# Altium PCB S6.PcbDoc (part 3 of 14) (continued)
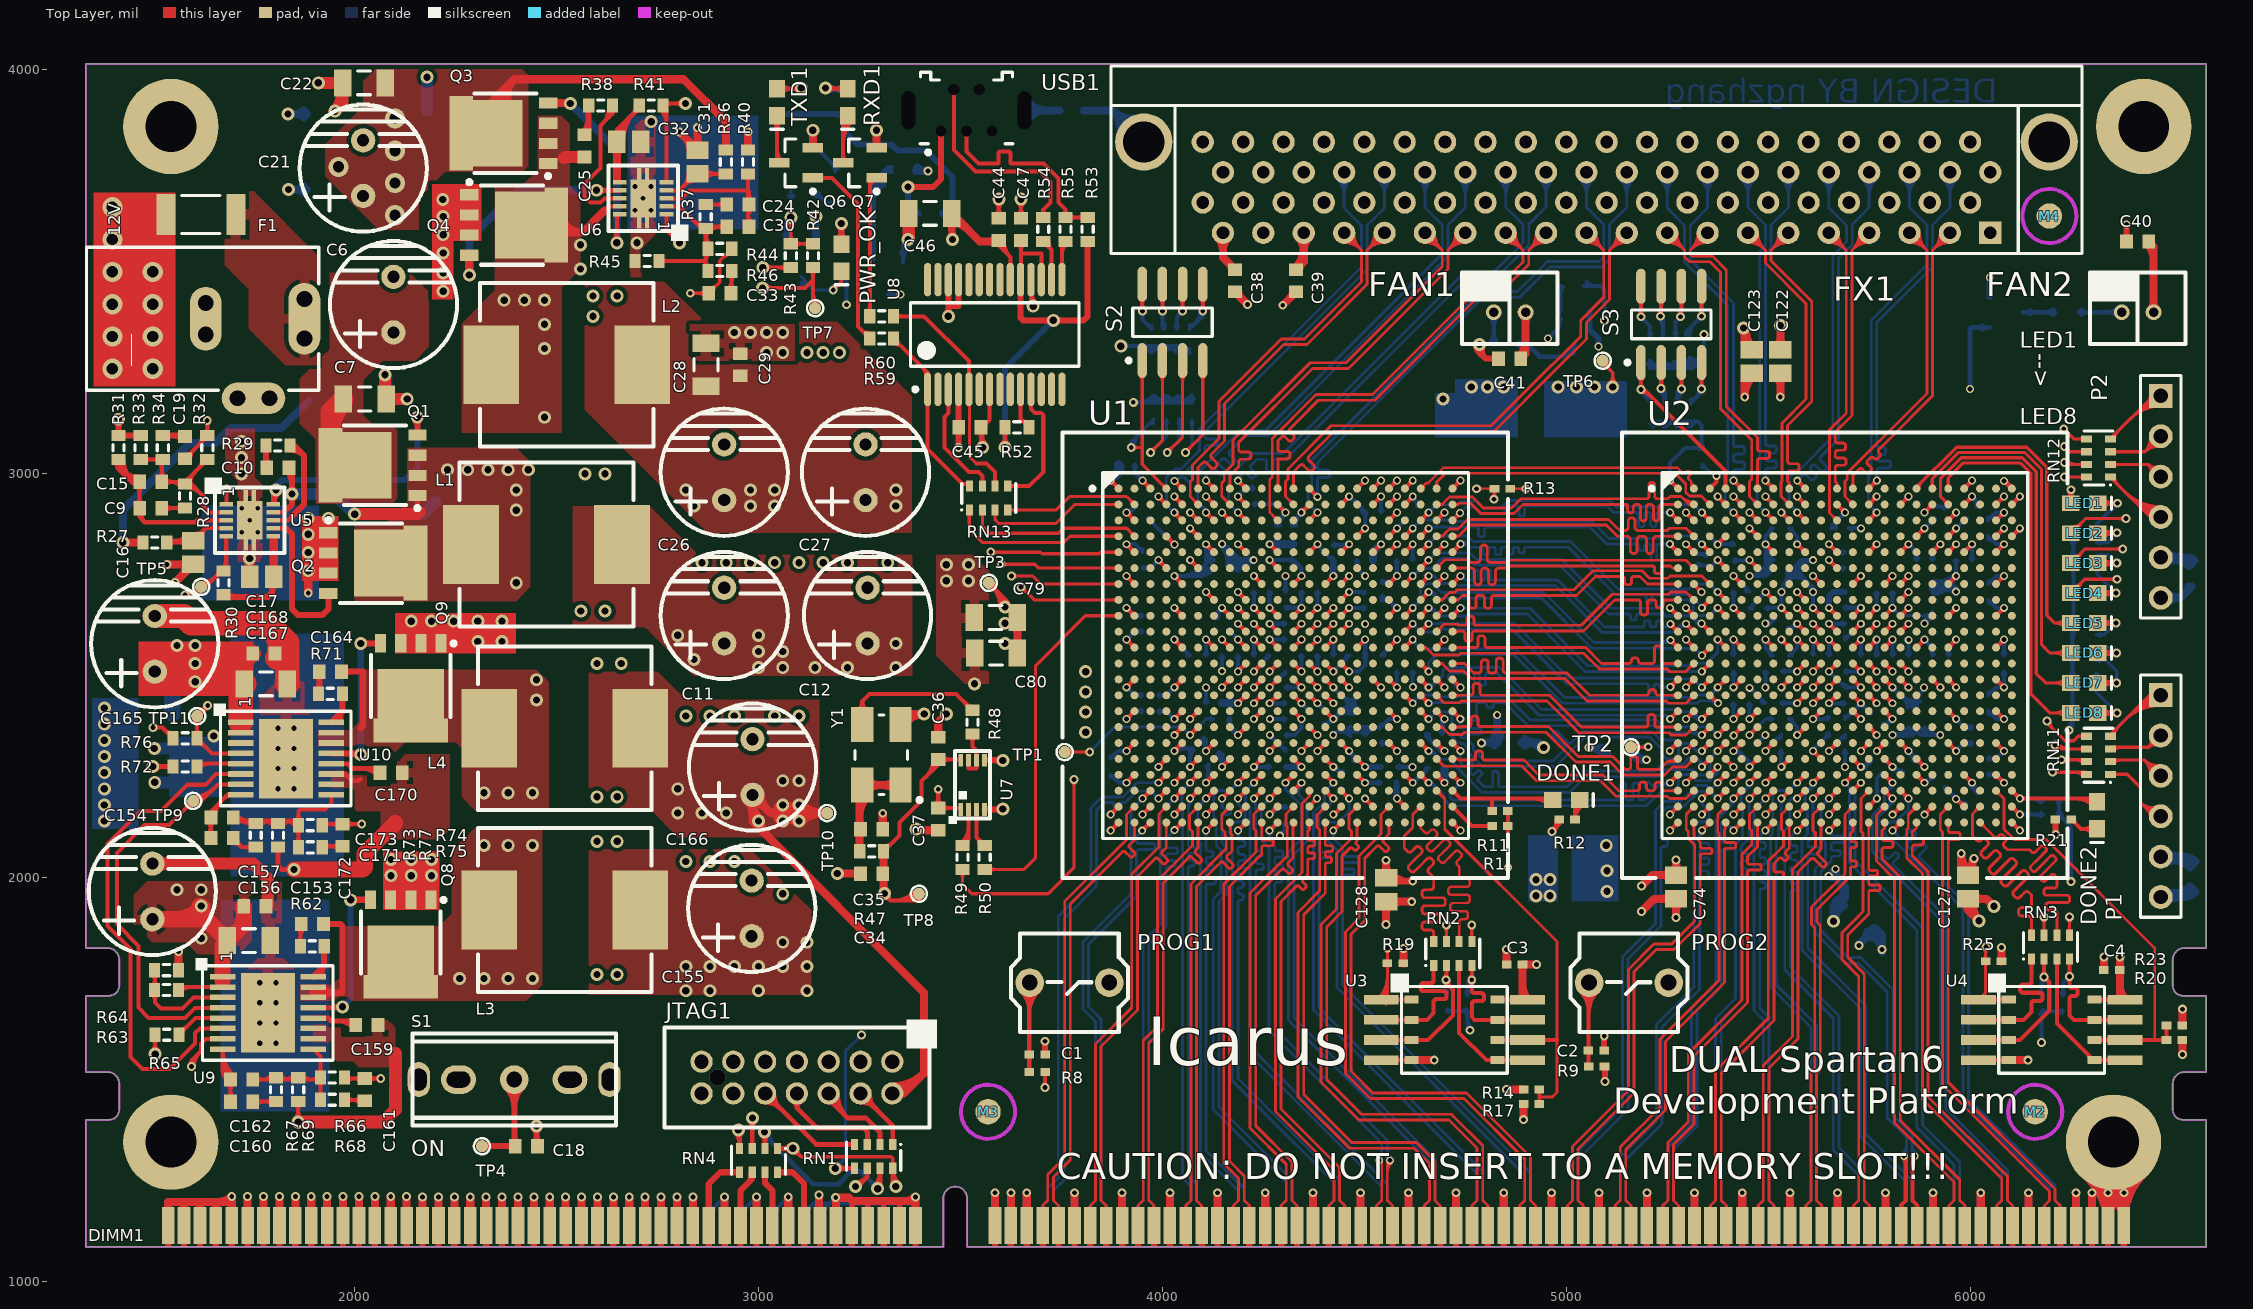
[diagram p0: Top Layer view]
## Nets (pads, with @x,y where several pads share a name; then routed paths per layer and width w, separated by ;. In a path a pad name is that pad's centre, name@x,y a point inside that pad or via, vN(x,y) a via of type N, cw(c..) or ccw(c..) an arc to the next point about the centre after c; other vN are vias at no path point) (continued)
DIMM_FPGA1_17_P: DIMM1.196 U1.W12 | length 1386.5
  Top Layer w10: v1(4305,2235.04) U1.W12@4324.69,2254.72 ; v1@4305,2239.88 ccw(c4305,2251.57) 4313.27,2243.31 ccw(c4321.53,2235.04) v1@4309.84,2235.04 ; U1.W12@4319.84,2254.72 cw(c4308.15,2254.72) 4316.42,2246.46 cw(c4324.69,2238.19) U1.W12@4324.69,2249.88
  Bottom Layer w7: v1@4300.52,2230.55 cw(c4289.69,2219.73) 4305,2219.73 cw(c4320.31,2219.73) v1@4309.48,2230.55 ; v1(4305,2235.04) 4305,2218 4344.1,2178.9 4344.1,2095.9 4312,2063.8 4312,1647 4661.06,1297.94 4661.06,1200.68 4648.37,1188 ; DIMM1.196@4642.87,1179.07 ccw(c4638.37,1188) 4648.37,1188 ; DIMM1.196@4648.37,1138.6 4648.37,1188 ; DIMM1.196@4653.87,1179.07 cw(c4658.37,1188) 4648.37,1188
DIMM_FPGA1_18_N: DIMM1.203 U1.AB15 | length 1414.9
  Top Layer w10: v1(4423,2116.82) U1.AB15@4442.8,2136.61 ; v1@4423,2121.66 ccw(c4423,2133.35) 4431.27,2125.09 ccw(c4439.53,2116.82) v1@4427.84,2116.82 ; U1.AB15@4437.95,2136.61 cw(c4426.26,2136.61) 4434.53,2128.35 cw(c4442.8,2120.08) U1.AB15@4442.8,2131.77
  Bottom Layer w7: v1@4418.52,2112.33 cw(c4407.69,2101.51) 4423,2101.51 cw(c4438.31,2101.51) v1@4427.48,2112.33 ; v1(4423,2116.82) 4423,2097.8 4446,2074.8 4446,2067.3 4446,2057.55 ccw(c4451.25,2057.55) 4451.25,2052.3 4479.75,2052.3 cw(c4479.75,2047.05) 4485,2047.05 4485,2042.55 cw(c4479.75,2042.55) 4479.75,2037.3 4451.25,2037.3 ccw(c4451.25,2032.05) 4446,2032.05 4446,2029 4446,2026.75 ccw(c4451.25,2026.75) 4451.25,2021.5 4469.9,2021.5 cw(c4469.9,2016.25) 4475.15,2016.25 4475.15,2011.75 cw(c4469.9,2011.75) 4469.9,2006.5 4451.25,2006.5 ccw(c4451.25,2001.25) 4446,2001.25 4446,1992 4446,1734.07 4911.27,1268.8 4911.27,1200.68 4923.96,1188 ; DIMM1.203@4918.46,1179.07 ccw(c4913.96,1188) 4923.96,1188 ; DIMM1.203@4923.96,1138.6 4923.96,1188 ; DIMM1.203@4929.46,1179.07 cw(c4933.96,1188) 4923.96,1188
DIMM_FPGA1_18_P: DIMM1.202 U1.Y15 | length 1415.3
  Top Layer w10: U1.Y15@4442.8,2210.51 cw(c4442.8,2198.82) 4451.06,2207.09 cw(c4459.33,2215.35) U1.Y15@4447.64,2215.35 ; U1.Y15@4442.8,2215.35 v1(4462.48,2195.67) ; v1@4457.64,2195.67 ccw(c4445.95,2195.67) 4454.21,2203.94 ccw(c4462.48,2212.2) v1@4462.48,2200.51
  Bottom Layer w7: v1@4458,2191.18 cw(c4447.17,2180.36) 4462.48,2180.36 cw(c4477.79,2180.36) v1@4466.97,2191.18 ; v1(4462.48,2195.67) 4462.48,2163.48 4436.16,2137.16 4414.57,2137.16 4402.66,2125.24 4402.66,2098.34 4422,2079 4432,2069 4432,1728.28 4897.27,1263 4897.27,1200.68 4884.59,1188 ; DIMM1.202@4879.09,1179.07 ccw(c4874.59,1188) 4884.59,1188 ; DIMM1.202@4884.59,1138.6 4884.59,1188 ; DIMM1.202@4890.09,1179.07 cw(c4894.59,1188) 4884.59,1188
DIMM_FPGA1_19_N: DIMM1.200 U1.Y14 | length 1472.5
  Top Layer w7: U1.Y14@4403.43,2209.01 cw(c4403.43,2193.7) 4414.25,2204.53 cw(c4425.08,2215.35) U1.Y14@4409.77,2215.35 ; U1.Y14@4403.43,2215.35 v1(4423.11,2195.67) ; U1.Y14@4405.77,2209.43 cw(c4394.04,2189.1) v1@4416.92,2194.27 ; U1.Y14@4409.35,2213.01 ccw(c4429.68,2224.74) v1@4424.51,2201.86 ; 4412.63,2205.46 cw(c4408.31,2197.99) v1@4416.85,2196.65 ; 4413.32,2206.15 ccw(c4420.79,2210.47) v1@4422.13,2201.93 ; v1@4416.77,2195.67 ccw(c4401.46,2195.67) 4412.28,2206.5 ccw(c4423.11,2217.32) v1@4423.11,2202.01
  Bottom Layer w7: 4415.34,2180.47 cw(c4424.24,2180.47) v1@4423.58,2189.34 ; 4415.34,2188.01 cw(c4423.68,2188.01) v1@4423.06,2196.32 ; v1(4423.11,2195.67) 4415.34,2187.9 4415.34,2182.6 4388,2155.26 4388,2071 4388,2068.75 ccw(c4393.25,2068.75) 4393.25,2063.5 4409.49,2063.5 cw(c4409.49,2058.25) 4414.74,2058.25 4414.74,2053.75 cw(c4409.49,2053.75) 4409.49,2048.5 4393.25,2048.5 ccw(c4393.25,2043.25) 4388,2043.25 4388,2026 4388,1677.8 4793.16,1272.63 4793.16,1200.68 4805.85,1188 ; DIMM1.200@4800.35,1179.07 ccw(c4795.85,1188) 4805.85,1188 ; DIMM1.200@4805.85,1138.6 4805.85,1188 ; DIMM1.200@4811.35,1179.07 cw(c4815.85,1188) 4805.85,1188
DIMM_FPGA1_19_P: DIMM1.199 U1.W14 | length 1400.6
  Top Layer w10: U1.W14@4403.43,2249.88 cw(c4403.43,2238.19) 4411.69,2246.46 cw(c4419.96,2254.72) U1.W14@4408.27,2254.72 ; U1.W14@4403.43,2254.72 v1(4423.11,2235.04) ; v1@4418.27,2235.04 ccw(c4406.58,2235.04) 4414.84,2243.31 ccw(c4423.11,2251.57) v1@4423.11,2239.88
  Bottom Layer w7: v1@4416.77,2235.04 cw(c4401.46,2235.04) 4412.28,2224.21 cw(c4423.11,2213.38) v1@4423.11,2228.7 ; v1(4423.11,2235.04) 4401.34,2213.27 4401.34,2188.4 4374,2161.06 4374,1672 4779.16,1266.84 4779.16,1200.68 4766.48,1188 ; DIMM1.199@4760.98,1179.07 ccw(c4756.48,1188) 4766.48,1188 ; DIMM1.199@4766.48,1138.6 4766.48,1188 ; DIMM1.199@4771.98,1179.07 cw(c4776.48,1188) 4766.48,1188
DIMM_FPGA1_20_N: DIMM1.80 U1.AB16 | length 1405
  Top Layer w7: 4453.95,2062.95 4445,2054 ; U1.AB16@4477.68,2132.13 cw(c4466.85,2121.3) 4482.17,2121.3 cw(c4497.48,2121.3) U1.AB16@4486.65,2132.13 ; U1.AB16@4482.17,2136.61 4482.17,2091.17 4480.68,2089.68 ccw(c4484.15,2086.22) 4480.68,2082.75 4484.24,2079.19 cw(c4480.77,2075.73) 4484.24,2072.26 4481.27,2069.29 cw(c4477.8,2072.76) 4474.34,2069.29 4470.78,2072.85 ccw(c4467.32,2069.39) 4463.85,2072.85 4446.5,2055.5 4445,2054 ; DIMM1.80@4800.35,1179.07 ccw(c4795.85,1188) 4805.85,1188 ; DIMM1.80@4805.85,1138.6 4805.85,1188 ; DIMM1.80@4811.35,1179.07 cw(c4815.85,1188) 4805.85,1188 ; 4445,2054 4445,1916.2 4407,1878.2 4407,1499.8 4492.8,1414 4715.8,1414 4719.9,1409.9 4793.16,1336.63 4793.16,1200.68 4805.85,1188
DIMM_FPGA1_20_P: DIMM1.79 U1.AA16 | length 1421.4
  Top Layer w7: U1.AA16@4475.82,2175.98 cw(c4460.51,2175.98) 4471.34,2165.16 cw(c4482.17,2154.33) U1.AA16@4482.17,2169.64 ; U1.AA16@4482.17,2175.98 4462,2155.82 4462,2121.17 4468.17,2115 4468.17,2096.96 4431,2059.8 4431,1922 4393,1884 4393,1494 4487,1400 4710,1400 4779.16,1330.84 4779.16,1200.68 4766.48,1188 ; DIMM1.79@4760.98,1179.07 ccw(c4756.48,1188) 4766.48,1188 ; DIMM1.79@4766.48,1138.6 4766.48,1188 ; DIMM1.79@4771.98,1179.07 cw(c4776.48,1188) 4766.48,1188
DIMM_FPGA1_21_N: DIMM1.77 U1.AB14 | length 1350.1
  Top Layer w7: U1.AB14@4398.94,2132.13 cw(c4388.11,2121.3) 4403.43,2121.3 cw(c4418.74,2121.3) U1.AB14@4407.91,2132.13 ; U1.AB14@4403.43,2136.61 4403.43,2114 4403.43,2107 4403.43,2093 4403.43,2083.9 ccw(c4408.33,2083.9) 4408.33,2079 4416.97,2079 cw(c4416.97,2074.1) 4421.86,2074.1 4421.86,2069.9 cw(c4416.97,2069.9) 4416.97,2065 4408.33,2065 ccw(c4408.33,2060.1) 4403.43,2060.1 4403.43,2055.9 ccw(c4408.33,2055.9) 4408.33,2051 4413.61,2051 cw(c4413.61,2046.1) 4418.51,2046.1 4418.51,2041.9 cw(c4413.61,2041.9) 4413.61,2037 4408.33,2037 ccw(c4408.33,2032.1) 4403.43,2032.1 4403.43,1989 4403.43,1961.63 4350,1908.2 4350,1462.8 4468.8,1344 4628.8,1344 4632.9,1339.9 4675.06,1297.74 4675.06,1200.68 4687.74,1188 ; DIMM1.77@4682.24,1179.07 ccw(c4677.74,1188) 4687.74,1188 ; DIMM1.77@4687.74,1138.6 4687.74,1188 ; DIMM1.77@4693.24,1179.07 cw(c4697.74,1188) 4687.74,1188
DIMM_FPGA1_21_P: DIMM1.76 U1.AA14 | length 1350.4
  Top Layer w7: U1.AA14@4397.08,2175.98 cw(c4381.77,2175.98) 4392.6,2165.16 cw(c4403.43,2154.33) U1.AA14@4403.43,2169.64 ; U1.AA14@4403.43,2175.98 4383,2155.56 4383,2125 4389.43,2118.57 4389.43,1967.43 4336,1914 4336,1457 4463,1330 4623,1330 4661.06,1291.94 4661.06,1200.68 4648.37,1188 ; DIMM1.76@4642.87,1179.07 ccw(c4638.37,1188) 4648.37,1188 ; DIMM1.76@4648.37,1138.6 4648.37,1188 ; DIMM1.76@4653.87,1179.07 cw(c4658.37,1188) 4648.37,1188
DIMM_FPGA1_22_N: DIMM1.83 U1.AB18 | length 1453.1
  Top Layer w7: U1.AB18@4556.42,2132.13 cw(c4545.59,2121.3) 4560.91,2121.3 cw(c4576.22,2121.3) U1.AB18@4565.39,2132.13 ; U1.AB18@4560.91,2136.61 4560.91,2107.91 4549,2096 4547.52,2094.52 ccw(c4550.98,2091.05) 4547.52,2087.59 4559.48,2075.62 cw(c4556.01,2072.16) 4559.48,2068.69 4556.51,2065.72 cw(c4553.04,2069.19) 4549.58,2065.72 4537.62,2077.69 ccw(c4534.15,2074.22) 4530.69,2077.69 4529,2076 4501,2048 4501,1894 4467,1860 4467,1521 4521,1467 4752.8,1467 4911.27,1308.52 4911.27,1200.68 4923.96,1188 ; DIMM1.83@4918.46,1179.07 ccw(c4913.96,1188) 4923.96,1188 ; DIMM1.83@4923.96,1138.6 4923.96,1188 ; DIMM1.83@4929.46,1179.07 cw(c4933.96,1188) 4923.96,1188
DIMM_FPGA1_22_P: DIMM1.82 U1.AA18 | length 1453.3
  Top Layer w7: U1.AA18@4554.56,2175.98 cw(c4539.25,2175.98) 4550.08,2165.16 cw(c4560.91,2154.33) U1.AA18@4560.91,2169.64 ; U1.AA18@4560.91,2175.98 4541,2156.08 4541,2107.8 4487,2053.8 4487,1899.8 4453,1865.8 4453,1515.2 4515.2,1453 4747,1453 4897.27,1302.72 4897.27,1200.68 4884.59,1188 ; DIMM1.82@4879.09,1179.07 ccw(c4874.59,1188) 4884.59,1188 ; DIMM1.82@4884.59,1138.6 4884.59,1188 ; DIMM1.82@4890.09,1179.07 cw(c4894.59,1188) 4884.59,1188
DIMM_FPGA2_1_N: DIMM1.86 U2.AB2 | length 1256.1
  Top Layer w7: DIMM1.86@5036.57,1179.07 ccw(c5032.07,1188) 5042.07,1188 ; DIMM1.86@5042.07,1138.6 5042.07,1188 ; DIMM1.86@5047.57,1179.07 cw(c5052.07,1188) 5042.07,1188 ; U2.AB2@5311.5,2132.13 cw(c5300.67,2121.3) 5315.98,2121.3 cw(c5331.3,2121.3) U2.AB2@5320.47,2132.13 ; U2.AB2@5315.98,2136.61 5315.98,2102.81 5332,2086.8 5332,2080 5332,2077.9 ccw(c5336.9,2077.9) 5336.9,2073 5355.79,2073 cw(c5355.79,2068.1) 5360.69,2068.1 5360.69,2063.9 cw(c5355.79,2063.9) 5355.79,2059 5336.9,2059 ccw(c5336.9,2054.1) 5332,2054.1 5332,2043 5332,1887 5267,1822 5223,1822 5168,1767 5168,1467 5029.39,1328.38 5029.39,1200.68 5042.07,1188
DIMM_FPGA2_1_P: DIMM1.85 U2.AA2 | length 1256.5
  Top Layer w7: DIMM1.85@4997.2,1179.07 ccw(c4992.7,1188) 5002.7,1188 ; DIMM1.85@5002.7,1138.6 5002.7,1188 ; DIMM1.85@5008.2,1179.07 cw(c5012.7,1188) 5002.7,1188 ; U2.AA2@5309.64,2175.98 cw(c5294.33,2175.98) 5305.16,2165.16 cw(c5315.98,2154.33) U2.AA2@5315.98,2169.64 ; U2.AA2@5315.98,2175.98 5297,2157 5297,2119.64 5301.98,2114.66 5301.98,2097.02 5318,2081 5318,1892.8 5261.2,1836 5217.2,1836 5213.1,1831.9 5154,1772.8 5154,1472.8 5015.39,1334.18 5015.39,1200.68 5002.7,1188
DIMM_FPGA2_2_N: DIMM1.209 U2.AB3 | length 1292.6
  Top Layer w10: v1(5336,2117.26) U2.AB3@5355.35,2136.61 ; v1@5336,2122.1 ccw(c5336,2133.79) 5344.27,2125.53 ccw(c5352.53,2117.26) v1@5340.84,2117.26 ; U2.AB3@5350.51,2136.61 cw(c5338.82,2136.61) 5347.09,2128.35 cw(c5355.35,2120.08) U2.AB3@5355.35,2131.77
  Bottom Layer w7: DIMM1.209@5154.68,1179.07 ccw(c5150.18,1188) 5160.18,1188 ; DIMM1.209@5160.18,1138.6 5160.18,1188 ; DIMM1.209@5165.68,1179.07 cw(c5170.18,1188) 5160.18,1188 ; 5330,2093.24 cw(c5353.2,2093.24) v1@5339.69,2112.1 ; 5330,2106.86 cw(c5343.45,2106.86) v1@5335.62,2117.79 ; v1(5336,2117.26) 5330,2111.26 5330,2094 5330,2091.45 ccw(c5335.95,2091.45) 5335.95,2085.5 5348.05,2085.5 cw(c5348.05,2079.55) 5354,2079.55 5354,2074.45 cw(c5348.05,2074.45) 5348.05,2068.5 5335.95,2068.5 ccw(c5335.95,2062.55) 5330,2062.55 5330,2055 ccw(c5335.95,2055) 5335.95,2049.05 5348.05,2049.05 cw(c5348.05,2043.1) 5354,2043.1 5354,2038 cw(c5348.05,2038) 5348.05,2032.05 5335.95,2032.05 ccw(c5335.95,2026.1) 5330,2026.1 ; 5160.18,1188 5147.49,1200.68 5147.49,1301.49 5233,1387 5237.1,1391.1 5237.1,1630.3 5330,1723.2 5330,1985 5330,1994.1 cw(c5335.95,1994.1) 5335.95,2000.05 5345.91,2000.05 ccw(c5345.91,2006) 5351.86,2006 5351.86,2011.1 ccw(c5345.91,2011.1) 5345.91,2017.05 5335.95,2017.05 cw(c5335.95,2023) 5330,2023 5330,2025.55 ; 5330,2025.55 5330,2026.1 ; 5330,2025.55 5330,2026.1
DIMM_FPGA2_2_P: DIMM1.208 U2.Y3 | length 1276.7
  Top Layer w10: v1(5335.67,2195.67) U2.Y3@5355.35,2215.35 ; v1@5335.67,2200.51 ccw(c5335.67,2212.2) 5343.94,2203.94 ccw(c5352.2,2195.67) v1@5340.51,2195.67 ; U2.Y3@5350.51,2215.35 cw(c5338.82,2215.35) 5347.09,2207.09 cw(c5355.35,2198.82) U2.Y3@5355.35,2210.51
  Bottom Layer w7: DIMM1.208@5115.31,1179.07 ccw(c5110.81,1188) 5120.81,1188 ; DIMM1.208@5120.81,1138.6 5120.81,1188 ; DIMM1.208@5126.31,1179.07 cw(c5130.81,1188) 5120.81,1188 ; v1@5331.64,2190.77 cw(c5324.62,2182.24) 5335.67,2182.24 ; v1(5335.67,2195.67) 5335.67,2182.24 ; v1@5339.7,2190.77 ccw(c5346.72,2182.24) 5335.67,2182.24 ; 5120.81,1188 5133.49,1200.68 5133.49,1307.29 5223.1,1396.9 5223.1,1636.1 5316,1729 5316,1731 5315.66,1731.34 5315.66,2125.69 5327.93,2137.96 5343.27,2137.96 5354.01,2148.7 5354.01,2163.9 5335.67,2182.24
DIMM_FPGA2_3_N: DIMM1.89 U2.AB4 | length 1195
  Top Layer w7: DIMM1.89@5154.68,1179.07 ccw(c5150.18,1188) 5160.18,1188 ; DIMM1.89@5160.18,1138.6 5160.18,1188 ; DIMM1.89@5165.68,1179.07 cw(c5170.18,1188) 5160.18,1188 ; U2.AB4@5390.64,2131.76 cw(c5383.29,2123) 5394.72,2123 ; U2.AB4@5394.72,2136.61 5394.72,2123 ; U2.AB4@5398.8,2131.76 ccw(c5406.16,2123) 5394.72,2123 ; 5160.18,1188 5147.49,1200.68 5147.49,1326.49 5246,1425 5246,1594 5392,1740 5392,2055 5392,2068.1 cw(c5396.9,2068.1) 5396.9,2073 5414.97,2073 ccw(c5414.97,2077.9) 5419.87,2077.9 5419.87,2082.1 ccw(c5414.97,2082.1) 5414.97,2087 5396.9,2087 cw(c5396.9,2091.9) 5392,2091.9 5392,2094 5392,2120.28 5394.72,2123
DIMM_FPGA2_3_P: DIMM1.88 U2.AA4 | length 1199.5
  Top Layer w7: DIMM1.88@5115.31,1179.07 ccw(c5110.81,1188) 5120.81,1188 ; DIMM1.88@5120.81,1138.6 5120.81,1188 ; DIMM1.88@5126.31,1179.07 cw(c5130.81,1188) 5120.81,1188 ; U2.AA4@5388.38,2175.98 cw(c5373.07,2175.98) 5383.9,2165.16 cw(c5394.72,2154.33) U2.AA4@5394.72,2169.64 ; U2.AA4@5394.72,2175.98 5375,2156.26 5375,2113 5378,2110 5378,1745.8 5232,1599.8 5232,1430.8 5133.49,1332.29 5133.49,1200.68 5120.81,1188
DIMM_FPGA2_4_N: DIMM1.212 U2.AB5 | length 1239.8
  Top Layer w10: v1(5414,2116.52) U2.AB5@5434.09,2136.61 ; v1@5414,2121.36 ccw(c5414,2133.05) 5422.27,2124.79 ccw(c5430.53,2116.52) v1@5418.84,2116.52 ; U2.AB5@5429.25,2136.61 cw(c5417.56,2136.61) 5425.83,2128.35 cw(c5434.09,2120.08) U2.AB5@5434.09,2131.77
  Bottom Layer w7: DIMM1.212@5272.79,1179.07 ccw(c5268.29,1188) 5278.29,1188 ; DIMM1.212@5278.29,1138.6 5278.29,1188 ; DIMM1.212@5283.79,1179.07 cw(c5288.29,1188) 5278.29,1188 ; v1@5407.66,2116.52 ccw(c5392.35,2116.52) 5403.17,2127.35 ccw(c5414,2138.17) v1@5414,2122.86 ; v1(5414,2116.52) 5390.42,2140.1 5388.9,2140.1 5384,2135.2 5384,2095 5384,2092.45 ccw(c5389.95,2092.45) 5389.95,2086.5 5401.05,2086.5 cw(c5401.05,2080.55) 5407,2080.55 5407,2075.45 cw(c5401.05,2075.45) 5401.05,2069.5 5389.95,2069.5 ccw(c5389.95,2063.55) 5384,2063.55 5384,2060 5384,1730 5324,1670 5324,1385 5265.6,1326.61 5265.6,1200.68 5278.29,1188
DIMM_FPGA2_4_P: DIMM1.211 U2.Y5 | length 1277.5
  Top Layer w10: v1(5414.41,2195.67) U2.Y5@5434.09,2215.35 ; v1@5414.41,2200.51 ccw(c5414.41,2212.2) 5422.68,2203.94 ccw(c5430.94,2195.67) v1@5419.25,2195.67 ; U2.Y5@5429.25,2215.35 cw(c5417.56,2215.35) 5425.83,2207.09 cw(c5434.09,2198.82) U2.Y5@5434.09,2210.51
  Bottom Layer w7: DIMM1.211@5233.42,1179.07 ccw(c5228.92,1188) 5238.92,1188 ; DIMM1.211@5238.92,1138.6 5238.92,1188 ; DIMM1.211@5244.42,1179.07 cw(c5248.92,1188) 5238.92,1188 ; 5396.33,2167.33 ccw(c5367.99,2195.67) v1@5408.07,2195.67 ; 5408.28,2179.28 ccw(c5391.88,2195.67) v1@5415.07,2195.67 ; v1@5411.57,2190 cw(c5409.28,2185.41) 5414.41,2185.41 ; v1(5414.41,2195.67) 5414.41,2185.41 ; v1@5417.24,2190 ccw(c5419.54,2185.41) 5414.41,2185.41 ; 5238.92,1188 5251.6,1200.68 5251.6,1332.4 5310,1390.8 5310,1675.8 5370,1735.8 5370,2141 5414.41,2185.41
DIMM_FPGA2_5_N: DIMM1.92 U2.AB6 | length 1195.1
  Top Layer w7: DIMM1.92@5272.79,1179.07 ccw(c5268.29,1188) 5278.29,1188 ; DIMM1.92@5278.29,1138.6 5278.29,1188 ; DIMM1.92@5283.79,1179.07 cw(c5288.29,1188) 5278.29,1188 ; U2.AB6@5468.98,2132.13 cw(c5458.15,2121.3) 5473.46,2121.3 cw(c5488.78,2121.3) U2.AB6@5477.95,2132.13 ; U2.AB6@5473.46,2136.61 5473.46,2076.46 5449,2052 5449,2040 5449,2037.9 ccw(c5453.9,2037.9) 5453.9,2033 5478.12,2033 cw(c5478.12,2028.1) 5483.02,2028.1 5483.02,2023.9 cw(c5478.12,2023.9) 5478.12,2019 5453.9,2019 ccw(c5453.9,2014.1) 5449,2014.1 5449,1989 5449,1691.2 5316.1,1558.3 5316.1,1389.1 5312,1385 5265.6,1338.61 5265.6,1200.68 5278.29,1188
DIMM_FPGA2_5_P: DIMM1.91 U2.AA6 | length 1195.8
  Top Layer w7: DIMM1.91@5233.42,1179.07 ccw(c5228.92,1188) 5238.92,1188 ; DIMM1.91@5238.92,1138.6 5238.92,1188 ; DIMM1.91@5244.42,1179.07 cw(c5248.92,1188) 5238.92,1188 ; 5447.6,2070.4 5459.46,2082.26 5459.46,2116 5455.12,2120.34 5454,2121.46 5454,2156.52 U2.AA6@5473.46,2175.98 ; 5455.12,2077.92 5435,2057.8 5435,1697 5302.1,1564.1 5302.1,1394.9 5251.6,1344.4 5251.6,1200.68 5238.92,1188 ; U2.AA6@5467.12,2175.98 cw(c5451.81,2175.98) 5462.64,2165.16 cw(c5473.46,2154.33) U2.AA6@5473.46,2169.64
DIMM_FPGA2_6_N: DIMM1.218 U2.AB7 | length 1188.8
  Top Layer w10: v1(5493,2116.78) U2.AB7@5512.83,2136.61 ; v1@5493,2121.62 ccw(c5493,2133.31) 5501.27,2125.05 ccw(c5509.53,2116.78) v1@5497.84,2116.78 ; U2.AB7@5507.99,2136.61 cw(c5496.3,2136.61) 5504.57,2128.35 cw(c5512.83,2120.08) U2.AB7@5512.83,2131.77
  Bottom Layer w7: 5479,1995.38 ccw(c5484.95,1995.38) 5484.95,1989.42 5488.05,1989.42 cw(c5488.05,1983.47) 5494,1983.47 5494,1978.38 cw(c5488.05,1978.38) 5488.05,1972.42 5484.95,1972.42 ccw(c5484.95,1966.47) 5479,1966.47 5479,1676.8 5501.82,1653.97 5501.82,1200.68 5514.51,1188 ; 5479,1996.65 cw(c5484.95,1996.65) 5484.95,2002.6 5488.05,2002.6 ccw(c5488.05,2008.55) 5494,2008.55 5494,2013.65 ccw(c5488.05,2013.65) 5488.05,2019.6 5484.95,2019.6 cw(c5484.95,2025.55) 5479,2025.55 5479,2028.1 ; 5479,2026.83 cw(c5484.95,2026.83) 5484.95,2032.78 5488.05,2032.78 ccw(c5488.05,2038.72) 5494,2038.72 5494,2043.83 ccw(c5488.05,2043.83) 5488.05,2049.78 5484.95,2049.78 cw(c5484.95,2055.72) 5479,2055.72 5479,2064.55 cw(c5484.95,2064.55) 5484.95,2070.5 5488.05,2070.5 ccw(c5488.05,2076.45) 5494,2076.45 5494,2081.55 ccw(c5488.05,2081.55) 5488.05,2087.5 5484.95,2087.5 cw(c5484.95,2093.45) 5479,2093.45 5479,2102.78 v1(5493,2116.78) ; v1@5486.66,2116.78 cw(c5471.35,2116.78) 5482.17,2105.95 cw(c5493,2095.12) v1@5493,2110.44 ; DIMM1.218@5509.01,1179.07 ccw(c5504.51,1188) 5514.51,1188 ; DIMM1.218@5514.51,1138.6 5514.51,1188 ; DIMM1.218@5520.01,1179.07 cw(c5524.51,1188) 5514.51,1188
DIMM_FPGA2_6_P: DIMM1.217 U2.Y7 | length 1194.1
  Top Layer w10: v1(5493.15,2195.67) U2.Y7@5512.83,2215.35 ; v1@5493.15,2200.51 ccw(c5493.15,2212.2) 5501.42,2203.94 ccw(c5509.68,2195.67) v1@5497.99,2195.67 ; U2.Y7@5507.99,2215.35 cw(c5496.3,2215.35) 5504.57,2207.09 cw(c5512.83,2198.82) U2.Y7@5512.83,2210.51
  Bottom Layer w7: DIMM1.217@5469.64,1179.07 ccw(c5465.14,1188) 5475.14,1188 ; DIMM1.217@5475.14,1138.6 5475.14,1188 ; DIMM1.217@5480.64,1179.07 cw(c5485.14,1188) 5475.14,1188 ; v1@5486.81,2195.67 cw(c5471.49,2195.67) 5482.32,2184.84 cw(c5493.15,2174.01) v1@5493.15,2189.33 ; v1(5493.15,2195.67) 5465,2167.52 5465,1966.47 5465,1671 5487.82,1648.17 5487.82,1200.68 5475.14,1188
DIMM_FPGA2_7_N: DIMM1.95 U2.AB8 | length 1182.1
  Top Layer w7: DIMM1.95@5390.9,1179.07 ccw(c5386.4,1188) 5396.4,1188 ; DIMM1.95@5396.4,1138.6 5396.4,1188 ; DIMM1.95@5401.9,1179.07 cw(c5406.4,1188) 5396.4,1188 ; U2.AB8@5547.72,2132.13 cw(c5536.89,2121.3) 5552.2,2121.3 cw(c5567.52,2121.3) U2.AB8@5556.69,2132.13 ; U2.AB8@5552.2,2136.61 5552.2,2073.2 5547,2068 5543.81,2064.81 ccw(c5547.28,2061.35) 5543.81,2057.88 5548.11,2053.58 cw(c5544.65,2050.12) 5548.11,2046.65 5545.14,2043.68 cw(c5541.68,2047.15) 5538.21,2043.68 5533.91,2047.98 ccw(c5530.45,2044.52) 5526.98,2047.98 5525.5,2046.5 5520.55,2041.55 5514,2035 5514,2028 5514,2018.9 ccw(c5518.9,2018.9) 5518.9,2014 5533.1,2014 cw(c5533.1,2009.1) 5538,2009.1 5538,2004.9 cw(c5533.1,2004.9) 5533.1,2000 5518.9,2000 ccw(c5518.9,1995.1) 5514,1995.1 5514,1988 5514,1646 5383.72,1515.71 5383.72,1200.68 5396.4,1188
DIMM_FPGA2_7_P: DIMM1.94 U2.AA8 | length 1182.5
  Top Layer w7: DIMM1.94@5351.53,1179.07 ccw(c5347.03,1188) 5357.03,1188 ; DIMM1.94@5357.03,1138.6 5357.03,1188 ; DIMM1.94@5362.53,1179.07 cw(c5367.03,1188) 5357.03,1188 ; 5524.1,2064.9 5538.2,2079 5538.2,2114 5533.86,2118.34 5533,2119.2 5533,2156.78 U2.AA8@5552.2,2175.98 ; 5533.86,2074.66 5500,2040.8 5500,1651.8 5369.72,1521.51 5369.72,1200.68 5357.03,1188 ; U2.AA8@5545.86,2175.98 cw(c5530.55,2175.98) 5541.38,2165.16 cw(c5552.2,2154.33) U2.AA8@5552.2,2169.64
DIMM_FPGA2_8_N: DIMM1.224 U2.AB9 | length 1271.1
  Top Layer w10: v1(5572,2117.04) U2.AB9@5591.57,2136.61 ; v1@5572,2121.88 ccw(c5572,2133.57) 5580.27,2125.31 ccw(c5588.53,2117.04) v1@5576.84,2117.04 ; U2.AB9@5586.73,2136.61 cw(c5575.04,2136.61) 5583.31,2128.35 cw(c5591.57,2120.08) U2.AB9@5591.57,2131.77
  Bottom Layer w7: 5555,1961.55 5555,1955 5555,1777.8 5675,1657.8 5675,1331.8 5738.05,1268.75 5738.05,1200.68 5750.73,1188 ; 5555,1962.75 cw(c5560.95,1962.75) 5560.95,1968.7 5566.05,1968.7 ccw(c5566.05,1974.65) 5572,1974.65 5572,1979.75 ccw(c5566.05,1979.75) 5566.05,1985.7 5560.95,1985.7 cw(c5560.95,1991.65) 5555,1991.65 cw(c5560.95,1991.65) 5560.95,1997.6 5566.05,1997.6 ccw(c5566.05,2003.55) 5572,2003.55 5572,2008.65 ccw(c5566.05,2008.65) 5566.05,2014.6 5560.95,2014.6 cw(c5560.95,2020.55) 5555,2020.55 cw(c5560.95,2020.55) 5560.95,2026.5 5566.05,2026.5 ccw(c5566.05,2032.45) 5572,2032.45 5572,2037.55 ccw(c5566.05,2037.55) 5566.05,2043.5 5560.95,2043.5 cw(c5560.95,2049.45) 5555,2049.45 5555,2052 5555,2056.55 cw(c5560.95,2056.55) 5560.95,2062.5 5566.05,2062.5 ccw(c5566.05,2068.45) 5572,2068.45 5572,2073.55 ccw(c5566.05,2073.55) 5566.05,2079.5 5560.95,2079.5 cw(c5560.95,2085.45) 5555,2085.45 5555,2088 5555,2100.04 v1(5572,2117.04) ; v1@5565.66,2117.04 cw(c5550.35,2117.04) 5561.17,2106.21 cw(c5572,2095.38) v1@5572,2110.7 ; DIMM1.224@5745.23,1179.07 ccw(c5740.73,1188) 5750.73,1188 ; DIMM1.224@5750.73,1138.6 5750.73,1188 ; DIMM1.224@5756.23,1179.07 cw(c5760.73,1188) 5750.73,1188
DIMM_FPGA2_8_P: DIMM1.223 U2.Y9 | length 1267.4
  Top Layer w10: v1(5571.89,2195.67) U2.Y9@5591.57,2215.35 ; v1@5571.89,2200.51 ccw(c5571.89,2212.2) 5580.16,2203.94 ccw(c5588.42,2195.67) v1@5576.73,2195.67 ; U2.Y9@5586.73,2215.35 cw(c5575.04,2215.35) 5583.31,2207.09 cw(c5591.57,2198.82) U2.Y9@5591.57,2210.51
  Bottom Layer w7: v1@5567.17,2191.43 ccw(c5557.67,2182.9) 5557.67,2195.67 ; v1@5567.17,2199.91 cw(c5557.67,2208.44) 5557.67,2195.67 ; v1(5571.89,2195.67) 5557.67,2195.67 ; DIMM1.223@5705.86,1179.07 ccw(c5701.36,1188) 5711.36,1188 ; DIMM1.223@5711.36,1138.6 5711.36,1188 ; DIMM1.223@5716.86,1179.07 cw(c5721.36,1188) 5711.36,1188 ; 5557.67,2195.67 5553.55,2191.55 5553.55,2129.24 5541,2116.7 5541,1772 5661,1652 5661,1326 5724.05,1262.95 5724.05,1200.68 5711.36,1188
DIMM_FPGA2_9_N: DIMM1.98 U2.AB10 | length 1168.1
  Top Layer w7: DIMM1.98@5509.01,1179.07 ccw(c5504.51,1188) 5514.51,1188 ; DIMM1.98@5514.51,1138.6 5514.51,1188 ; DIMM1.98@5520.01,1179.07 cw(c5524.51,1188) 5514.51,1188 ; U2.AB10@5626.46,2132.13 cw(c5615.63,2121.3) 5630.94,2121.3 cw(c5646.26,2121.3) U2.AB10@5635.43,2132.13 ; U2.AB10@5630.94,2136.61 5630.94,2070.94 5625,2065 5623.52,2063.52 ccw(c5626.98,2060.05) 5623.52,2056.59 5642.63,2037.47 cw(c5639.16,2034.01) 5642.63,2030.54 5639.66,2027.57 cw(c5636.19,2031.04) 5632.73,2027.57 5613.62,2046.69 ccw(c5610.15,2043.22) 5606.69,2046.69 5601,2041 5574,2014 5574,1601 5501.82,1528.83 5501.82,1200.68 5514.51,1188
DIMM_FPGA2_9_P: DIMM1.97 U2.AA10 | length 1169.1
  Top Layer w7: DIMM1.97@5469.64,1179.07 ccw(c5465.14,1188) 5475.14,1188 ; DIMM1.97@5475.14,1138.6 5475.14,1188 ; DIMM1.97@5480.64,1179.07 cw(c5485.14,1188) 5475.14,1188 ; 5601.2,2061 5616.94,2076.74 5616.94,2111 5612.6,2115.34 5611,2116.94 5611,2156.04 U2.AA10@5630.94,2175.98 ; 5612.6,2072.4 5560,2019.8 5560,1606.8 5487.82,1534.62 5487.82,1200.68 5475.14,1188 ; U2.AA10@5624.6,2175.98 cw(c5609.29,2175.98) 5620.12,2165.16 cw(c5630.94,2154.33) U2.AA10@5630.94,2169.64
DIMM_FPGA2_10_N: DIMM1.107 U2.AB11 | length 1361.9
  Top Layer w10: v1(5651,2117.3) U2.AB11@5670.31,2136.61 ; v1@5651,2122.14 ccw(c5651,2133.83) 5659.27,2125.57 ccw(c5667.53,2117.3) v1@5655.84,2117.3 ; U2.AB11@5665.47,2136.61 cw(c5653.78,2136.61) 5662.05,2128.35 cw(c5670.31,2120.08) U2.AB11@5670.31,2131.77 ; 5857.66,1287.62 cw(c5885.88,1287.62) v1@5865.92,1307.58 ; v1(5862.5,1311) 5857.65,1306.16 5857.65,1200.18 5868.84,1189 ; DIMM1.107@5862.6,1176.87 ccw(c5853.95,1189) 5868.84,1189 ; DIMM1.107@5868.84,1138.6 5868.84,1189 ; DIMM1.107@5875.08,1176.87 cw(c5883.73,1189) 5868.84,1189
  Bottom Layer w7: v1(5651,2117.3) 5656.1,2112.2 5656.1,2109.65 ccw(c5662.05,2109.65) 5662.05,2103.7 5681.15,2103.7 cw(c5681.15,2097.75) 5687.1,2097.75 5687.1,2092.65 cw(c5681.15,2092.65) 5681.15,2086.7 5662.05,2086.7 ccw(c5662.05,2080.75) 5656.1,2080.75 5656,2080.65 5656,2071.95 ccw(c5660.9,2071.95) 5660.9,2067.05 5674.1,2067.05 cw(c5674.1,2062.15) 5679,2062.15 5679,2057.95 cw(c5674.1,2057.95) 5674.1,2053.05 5660.9,2053.05 ccw(c5660.9,2048.15) 5656,2048.15 ; 5656.1,2048 5656.1,2041.3 5630,2015.2 5630,1869.8 5697.8,1802 5729.8,1802 5733.9,1797.9 5809,1722.8 5809,1410.95 5856.15,1363.8 5856.15,1317.34 v1(5862.5,1311) ; 5856.16,1324.72 ccw(c5876.22,1324.72) v1@5862.03,1310.54 ; 5856.15,1341.62 ccw(c5893.12,1341.62) v1@5866.98,1315.48
DIMM_FPGA2_10_P: DIMM1.106 U2.Y11 | length 1386.5
  Top Layer w10: v1(5650.63,2195.67) U2.Y11@5670.31,2215.35 ; v1@5650.63,2200.51 ccw(c5650.63,2212.2) 5658.9,2203.94 ccw(c5667.16,2195.67) v1@5655.47,2195.67 ; U2.Y11@5665.47,2215.35 cw(c5653.78,2215.35) 5662.05,2207.09 cw(c5670.31,2198.82) U2.Y11@5670.31,2210.51 ; DIMM1.106@5823.23,1176.87 ccw(c5814.58,1189) 5829.47,1189 ; DIMM1.106@5829.47,1138.6 5829.47,1189 ; v1@5832.39,1307.58 cw(c5812.43,1287.62) 5840.65,1287.62 ; DIMM1.106@5835.71,1176.87 cw(c5844.36,1189) 5829.47,1189 ; v1(5835.81,1311) 5840.65,1306.16 5840.65,1200.18 5829.47,1189
  Bottom Layer w7: v1@5644.29,2195.67 cw(c5628.98,2195.67) 5639.8,2184.84 cw(c5650.63,2174.01) v1@5650.63,2189.33 ; v1(5650.63,2195.67) 5630.66,2175.7 5630.66,2099.44 5642.1,2088 5642.1,2047.1 5616,2021 5616,1864 5692,1788 5724,1788 5795,1717 5795,1405.15 5842.15,1358 5842.15,1317.34 v1(5835.81,1311) ; v1@5831.33,1315.48 ccw(c5805.19,1341.62) 5842.15,1341.62 ; v1@5836.28,1310.54 ccw(c5822.09,1324.72) 5842.15,1324.72
DIMM_FPGA2_11_N: DIMM1.101 U2.AB12 | length 1138.1
  Top Layer w7: DIMM1.101@5627.12,1179.07 ccw(c5622.62,1188) 5632.62,1188 ; DIMM1.101@5632.62,1138.6 5632.62,1188 ; DIMM1.101@5638.12,1179.07 cw(c5642.62,1188) 5632.62,1188 ; U2.AB12@5705.2,2132.13 cw(c5694.37,2121.3) 5709.69,2121.3 cw(c5725,2121.3) U2.AB12@5714.17,2132.13 ; U2.AB12@5709.69,2136.61 5709.69,2115.69 5704,2110 5704,2103 5704,2093.9 ccw(c5708.9,2093.9) 5708.9,2089 5714.1,2089 cw(c5714.1,2084.1) 5719,2084.1 5719,2079.9 cw(c5714.1,2079.9) 5714.1,2075 5708.9,2075 ccw(c5708.9,2070.1) 5704,2070.1 5704,2062 5704,2055 5704,2044.5 ccw(c5707.5,2044.5) 5707.5,2041 5714.96,2041 cw(c5714.96,2037.5) 5718.46,2037.5 5718.46,2030.5 cw(c5714.96,2030.5) 5714.96,2027 5707.5,2027 ccw(c5707.5,2023.5) 5704,2023.5 5704,2016 5704,2003.55 5665.95,1965.5 5665.5,1965.5 5620.9,1920.9 5620.9,1889.9 5625,1885.8 5629.1,1881.7 5629.1,1523.1 5625,1519 5619.94,1513.93 5619.94,1200.68 5632.62,1188